# KiCad board AmigaPCI 68040.kicad_pcb (continued)
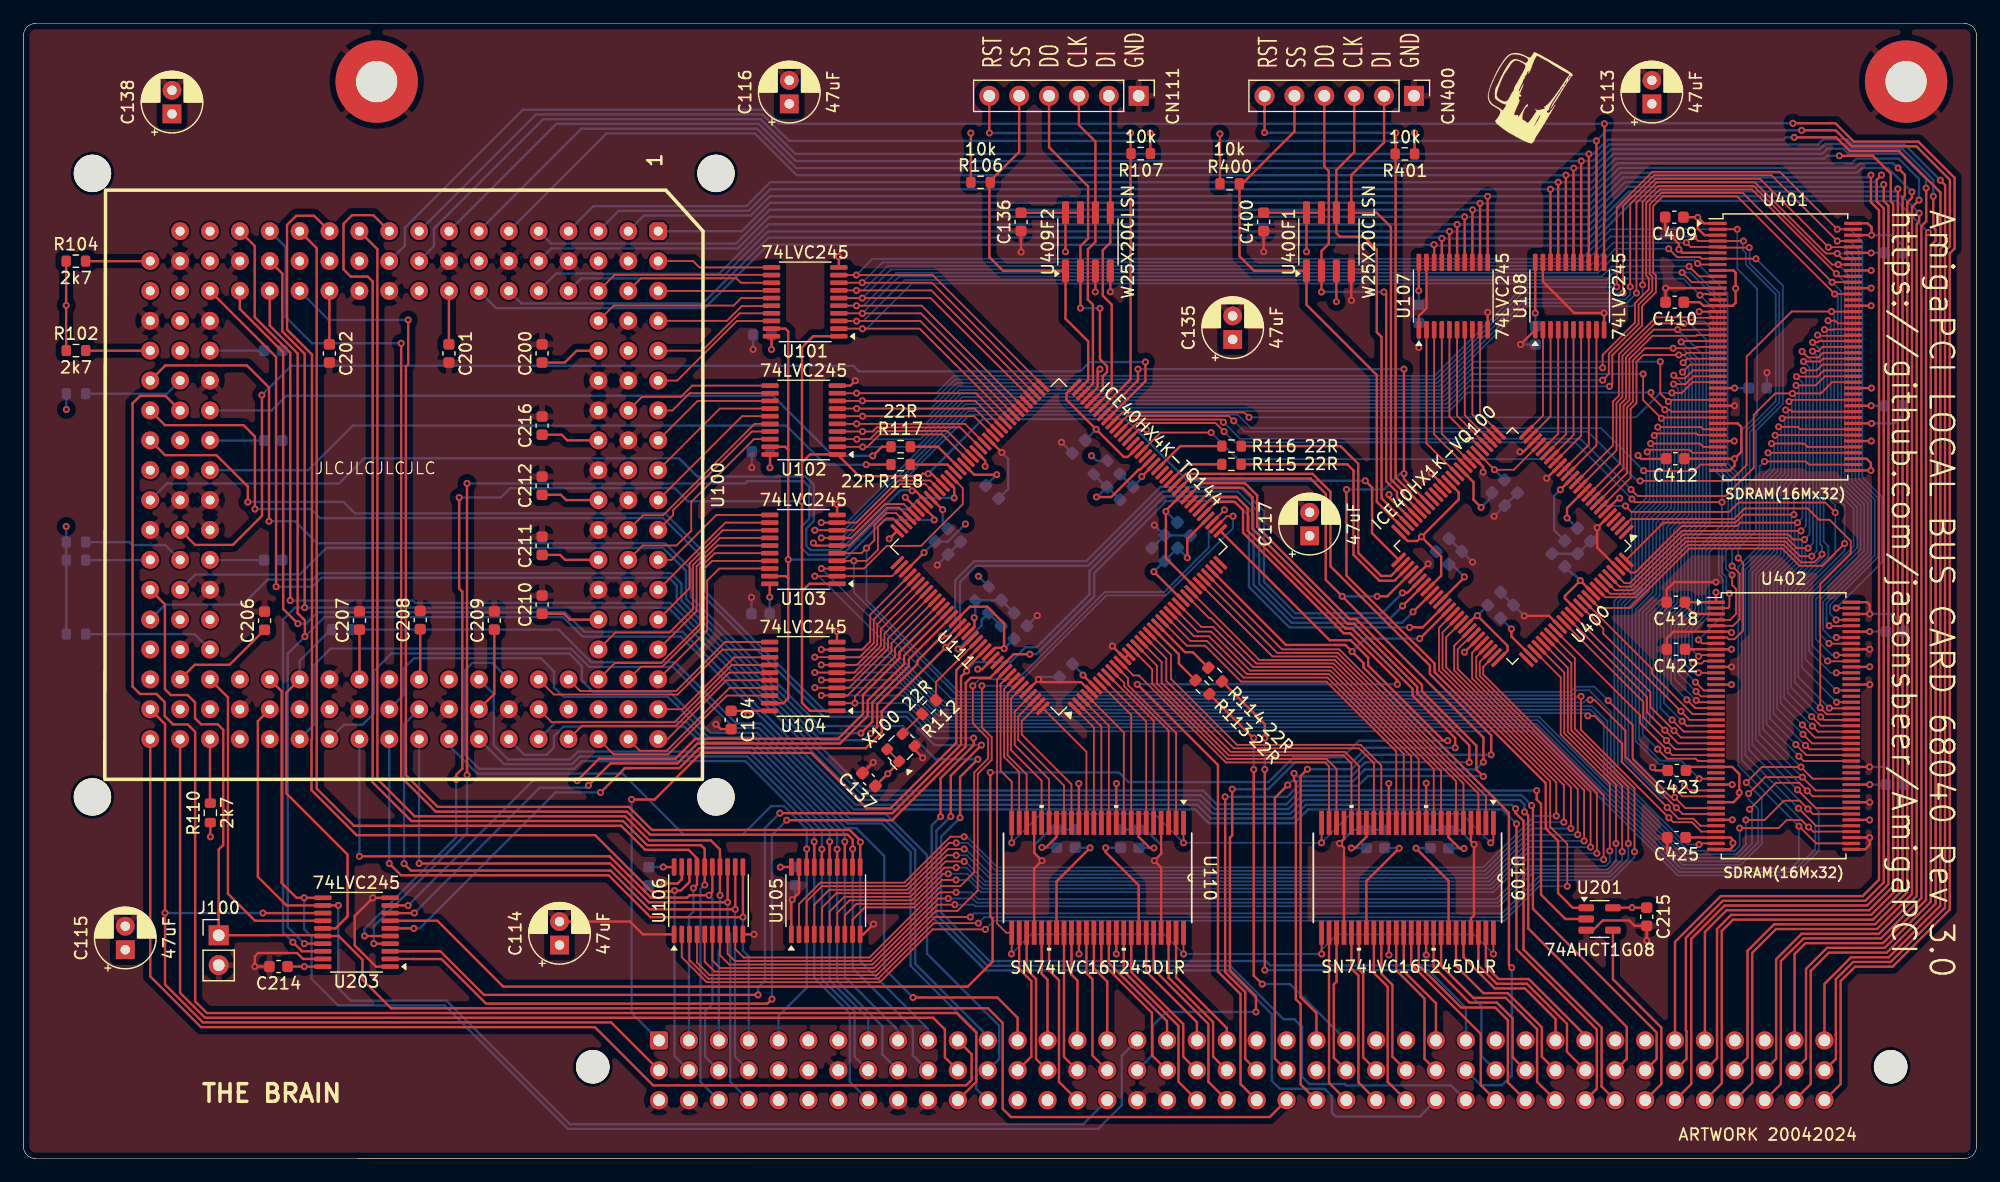
[diagram p0: board, top side]
## Footprints (pads in the part's own frame, mm; a bottom-side part is the same pattern mirrored in y, then rotated) (continued)
TSSOP-20_4.4x6.5mm_P0.65mm
  rrect 1.475x0.4 smd: 1(-2.862,2.925) 2(-2.862,2.275) 3(-2.862,1.625) 4(-2.862,0.975) 5(-2.862,0.325) 6(-2.862,-0.325) 7(-2.862,-0.975) 8(-2.862,-1.625) 9(-2.862,-2.275) 10(-2.862,-2.925) 11(2.862,-2.925) 12(2.862,-2.275) 13(2.862,-1.625) 14(2.862,-0.975) 15(2.862,-0.325) 16(2.862,0.325) 17(2.862,0.975) 18(2.862,1.625) 19(2.862,2.275) 20(2.862,2.925)

## Nets
+1V2: C117.1 C122.1 C123.1 C124.1 C125.1 C401.1 C402.1 C403.1 C404.1 CN100.a6 R108.2 R109.1 U111.27 U111.40 U111.92 U111.111 U400.11 U400.35 U400.61 U400.77
+3V3: C101.1 C102.1 C103.1 C104.1 C105.1 C106.1 C107.1 C108.1 C109.1 C110.1 C111.1 C112.1 C113.1 C114.1 C126.1 C127.1 C128.1 C129.1 C130.1 C135.1 C136.2 C137.1 C214.1 C400.2 C405.1 C406.1 C407.1 C408.1 C409.1 C410.1 C411.1 C412.1 C413.1 C414.1 C415.1 C416.1 C417.1 C418.1 C422.1 C423.1 C425.1 CN100.a21 CN100.a34 CN100.b5 CN100.b6 CN100.c13 CN100.c14 R106.1 R107.1 R400.1 R401.1 U101.20 U102.20 U103.20 U104.20 U105.20 U106.20 U107.20 U108.20 U109.7 U109.18 U110.7 U110.18 U111.6 U111.30 U111.46 U111.57 U111.72 U111.89 U111.100 U111.108 U111.123 U111.131 U203.20 U400.6 U400.14 U400.22 U400.31 U400.38 U400.50 U400.58 U400.67 U400.75 U400.88 U400.92 U400F1.3 U400F1.7 U400F1.8 U401.1 U401.3 U401.9 U401.15 U401.29 U401.35 U401.41 U401.43 U401.49 U401.55 U401.75 U401.81 U402.1 U402.3 U402.9 U402.15 U402.29 U402.35 U402.41 U402.43 U402.49 U402.55 U402.75 U402.81 U409F2.3 U409F2.7 U409F2.8 X100.1 X100.4
+5V: C115.1 C116.1 C118.1 C119.1 C120.1 C121.1 C138.1 C200.1 C201.1 C202.1 C203.1 C204.1 C205.1 C206.1 C207.1 C208.1 C209.1 C210.1 C211.1 C212.1 C215.1 C216.1 CN100.a7 CN100.a22 CN100.a25 CN100.a26 CN100.a33 CN100.c5 R100.1 R101.1 R102.1 R103.1 R104.1 R105.1 R110.1 U100.23 U100.27 U100.32 U100.38 U100.41 U100.44 U100.46 U100.48 U100.50 U100.53 U100.74 U100.77 U100.81 U100.82 U100.87 U100.88 U100.100 U100.104 U100.105 U100.107 U100.128 U100.131 U100.134 U100.138 U100.143 U100.152 U100.160 U109.31 U109.42 U110.31 U110.42 U201.5
D3V3A0: U101.8 U111.74 U401.4 U402.4
D3V3A1: U101.7 U111.75 U401.5 U402.5
D3V3A2: U101.5 U111.78 U401.8 U402.8
D3V3A3: U101.9 U111.73 U401.2 U402.2
D3V3A4: U101.6 U111.76 U401.7 U402.7
D3V3A5: U101.4 U111.79 U401.10 U402.10
D3V3A6: U101.3 U111.80 U401.11 U402.11
D3V3A7: U101.2 U111.81 U401.13 U402.13
D3V3A8: U102.9 U111.82 U401.85 U402.85
D3V3A9: U102.8 U111.83 U401.83 U402.83
D3V3A10: U102.7 U111.84 U401.82 U402.82
D3V3A11: U102.6 U111.85 U401.80 U402.80
D3V3A12: U102.5 U111.87 U401.79 U402.79
D3V3A13: U102.3 U111.90 U401.77 U402.77
D3V3A14: U103.9 U111.98 U401.76 U402.76
D3V3A15: U103.8 U111.99 U401.74 U402.74
D3V3A16: U102.4 U111.88 U401.31 U402.31
D3V3A17: U103.7 U111.104 U401.33 U402.33
D3V3A18: U102.2 U111.91 U401.34 U402.34
D3V3A19: U103.5 U111.106 U401.36 U402.36
D3V3A20: U103.2 U111.110 U401.37 U402.37
D3V3A21: U104.7 U111.114 U401.39 U402.39
D3V3A22: U103.3 U111.95 U401.40 U402.40
D3V3A23: U103.6 U111.105 U401.42 U402.42
D3V3A24: U104.4 U111.117 U401.45 U402.45
D3V3A25: U103.4 U111.107 U401.47 U402.47
D3V3A26: U104.3 U111.118 U401.48 U402.48
D3V3A27: U104.9 U111.112 U401.50 U402.50
D3V3A28: U104.2 U111.119 U401.51 U402.51
D3V3A29: U104.8 U111.113 U401.53 U402.53
D3V3A30: U104.6 U111.115 U401.54 U402.54
D3V3A31: U104.5 U111.116 U401.56 U402.56
D3V3B0: U109.2 U111.33
D3V3B1: U109.8 U111.28
D3V3B2: U109.5 U111.31
D3V3B3: U109.3 U111.32
D3V3B4: U109.6 U111.29
D3V3B5: U109.11 U111.25
D3V3B6: U109.9 U111.26
D3V3B7: U109.12 U111.24
D3V3B8: U109.13 U111.23
D3V3B9: U109.14 U111.22
D3V3B10: U109.17 U111.18
D3V3B11: U109.16 U111.19
D3V3B12: U109.20 U111.16
D3V3B13: U109.23 U111.12
D3V3B14: U110.5 U111.9
D3V3B15: U110.3 U111.10
D3V3B16: U109.19 U111.17
D3V3B17: U110.2 U111.11
D3V3B18: U109.22 U111.15
D3V3B19: U110.8 U111.7
D3V3B20: U110.11 U111.3
D3V3B21: U110.19 U111.141
D3V3B22: U110.12 U111.2
D3V3B23: U110.9 U111.4
D3V3B24: U110.22 U111.138
D3V3B25: U110.6 U111.8
D3V3B26: U110.20 U111.139
D3V3B27: U110.14 U111.144
D3V3B28: U110.23 U111.137
D3V3B29: U110.13 U111.1
D3V3B30: U110.17 U111.142
D3V3B31: U110.16 U111.143
GND: C101.2 C102.2 C103.2 C104.2 C105.2 C106.2 C107.2 C108.2 C109.2 C110.2 C111.2 C112.2 C113.2 C114.2 C115.2 C116.2 C117.2 C118.2 C119.2 C120.2 C121.2 C122.2 C123.2 C124.2 C125.2 C126.2 C127.2 C128.2 C129.2 C130.2 C135.2 C136.1 C137.2 C138.2 C200.2 C201.2 C202.2 C203.2 C204.2 C205.2 C206.2 C207.2 C208.2 C209.2 C210.2 C211.2 C212.2 C214.2 C215.2 C216.2 C400.1 C401.2 C402.2 C403.2 C404.2 C405.2 C406.2 C407.2 C408.2 C409.2 C410.2 C411.2 C412.2 C413.2 C414.2 C415.2 C416.2 C417.2 C418.2 C422.2 C423.2 C425.2 CN100.a29 CN100.a30 CN100.a37 CN100.a38 CN100.b7 CN100.c1 CN100.c2 CN100.c9 CN100.c10 CN100.c17 CN100.c18 CN111.1 CN400.1 H1.1 H2.1 J100.2 U100.20 U100.22 U100.24 U100.26 U100.28 U100.31 U100.33 U100.35 U100.42 U100.43 U100.45 U100.47 U100.49 U100.56 U100.59 U100.68 U100.71 U100.80 U100.83 U100.93 U100.94 U100.98 U100.99 U100.101 U100.106 U100.110 U100.113 U100.122 U100.125 U100.130 U100.132 U100.136 U100.137 U100.139 U100.146 U100.153 U100.154 U100.159 U100.161 U100.165 U100.172 U101.10 U102.10 U103.10 U104.10 U105.1 U105.10 U105.19 U106.1 U106.10 U106.19 U107.1 U107.10 U107.19 U108.1 U108.10 U108.19 U109.4 U109.10 U109.15 U109.21 U109.28 U109.34 U109.39 U109.45 U110.4 U110.10 U110.15 U110.21 U110.28 U110.34 U110.39 U110.45 U111.5 U111.13 U111.14 U111.59 U111.69 U111.86 U111.103 U111.132 U111.140 U201.3 U203.1 U203.10 U203.19 U400.5 U400.17 U400.23 U400.32 U400.39 U400.47 U400.55 U400.70 U400.84 U400.98 U400F1.4 U401.6 U401.12 U401.32 U401.38 U401.44 U401.46 U401.52 U401.58 U401.72 U401.78 U401.84 U401.86 U402.6 U402.12 U402.32 U402.38 U402.44 U402.46 U402.52 U402.58 U402.72 U402.78 U402.84 U402.86 U409F2.4 X100.2
/Card Connector/CLK40: R112.1 U111.128
/Card Connector/U409_CRESET: CN111.6 R107.2 U111.66
/Card Connector/U409_SCK: CN111.3 U111.70 U409F2.6
/Card Connector/U409_SDI: CN111.2 U111.67 U409F2.5
/Card Connector/U409_SDO: CN111.4 U111.68 U409F2.2
/Card Connector/U409_SS: CN111.5 R106.2 U111.71 U409F2.1
/CPU/_CDIS: R102.2 U100.166
/CPU/_MDIS: R103.2 U100.150
/CPU/_TIP: R105.2 U100.141
/CPU/SC0: R100.2 U100.173
/CPU/SC1: R101.2 U100.156
/CPU/TDO: R104.2 U100.163
/Fast Memory/U109_CRESET: CN400.6 R401.2 U400.44
/Fast Memory/U109_SCK: CN400.3 U400.48 U400F1.6
/Fast Memory/U109_SDI: CN400.2 U400.45 U400F1.5
/Fast Memory/U109_SDO: CN400.4 U400.46 U400F1.2
/Fast Memory/U109_SS: CN400.5 R400.2 U400.49 U400F1.1
_BB: CN100.b1 U100.178 U203.13
_BB-3V: U111.37 U203.7
_BG: CN100.c22 J100.1 U100.174 U203.16
_BG-3V: U111.96 U203.4
_BR: CN100.a11 U100.179
_BUFEN: U109.25 U109.48 U110.25 U110.48 U111.135
_CPUBG: U101.19 U102.19 U103.19 U104.19 U111.102
_CPUCONF: CN100.c7
_CPURST: CN100.c11 U100.151
_DSACK0: CN100.a1 U111.129
_DSACK1: CN100.b21 U111.45
_EM0CS: U400.9 U401.20
_EM1CS: U400.90 U402.20
_EMCAS: U400.12 U401.18 U402.18
_EMRAS: U400.10 U401.19 U402.19
_EMWE: U400.13 U401.17 U402.17
_INT2: CN100.c6
_INT6: CN100.b23
_IPL0: CN100.c27 U100.169
_IPL1: CN100.c28 U100.168
_IPL2: CN100.b29 U100.167
_LBEN: CN100.b22 U111.47 U400.54
_LLBE: U111.60 U401.16 U402.16
_LMBE: U111.62 U401.71 U402.71
_LOCK: CN100.b11 U100.162
_RESET: CN100.b28 U111.34 U400.63
_RSTO: U100.129 U201.2
_RSTOUT: CN100.c34 U201.4
_TA-CPU: U100.175 U111.124 U400.56
_TBI: CN100.a23 U111.48
_TBI-CPU: U100.155 U111.64
_TCI: CN100.c23 U111.43
_TCI-CPU: U100.171 U111.101
_TEA: CN100.c21 U111.41
_TEA-CPU: U100.157 U111.122
_TS: CN100.b17 U111.42
_TS-3V: U111.125 U203.6 U400.57
_TS-CPU: U100.142 U203.14
_UMBE: U111.63 U401.28 U402.28
_UUBE: U111.61 U401.59 U402.59
A0: CN100.b3 U100.102 U106.15
A1: CN100.a4 U100.96 U106.11
A2: CN100.b4 U100.89 U106.12
A3: CN100.c4 U100.90 U106.13
A4: CN100.a5 U100.84 U105.18
A5: CN100.b8 U100.78 U105.16
A6: CN100.a8 U100.76 U105.15
A7: CN100.b9 U100.72 U105.14
A8: CN100.a9 U100.66 U105.13
A9: CN100.c8 U100.70 U105.17
A10: CN100.b10 U100.115 U105.12
A11: CN100.a10 U100.111 U105.11
A12: CN100.a2 U100.109 U106.17
A13: CN100.b2 U100.103 U106.18
A14: CN100.a3 U100.97 U106.14
A15: CN100.c3 U100.91 U106.16
A16: CN100.c40 U100.92 U108.11
A17: CN100.b40 U100.85 U108.12
A18: CN100.a40 U100.79 U108.14
A19: CN100.c39 U100.86 U108.13
A20: CN100.b39 U100.73 U108.15
A21: CN100.c38 U100.67 U108.16
A22: CN100.a35 U100.61 U107.13
A23: CN100.a39 U100.75 U107.18
A24: CN100.a36 U100.55 U108.17
A25: CN100.b38 U100.69 U107.17
A26: CN100.b35 U100.62 U107.14
A27: CN100.c37 U100.37 U108.18
A28: CN100.c35 U100.63 U107.15
A29: CN100.c36 U100.19 U107.11
A30: CN100.b36 U100.57 U107.16
A31: CN100.b37 U100.1 U107.12
BANK0: U400.8 U401.22 U402.22
BANK1: U400.7 U401.23 U402.23
BCLKA: R117.2 U100.133
BCLKB: R115.2 U400.53
BCLKC: CN100.a28 R114.2
BUFDIR: U109.1 U109.24 U110.1 U110.24 U111.136
CDONE: U111.65 U201.1 U400.43
D0: U100.39 U101.12
D1: U100.21 U101.13
D2: U100.40 U101.15
D3: U100.2 U101.11
D4: U100.3 U101.14
D5: U100.4 U101.16
D6: U100.5 U101.17
D7: U100.6 U101.18
D8: U100.25 U102.11
D9: U100.7 U102.12
D10: U100.8 U102.13
D11: U100.9 U102.14
D12: U100.10 U102.15
D13: U100.11 U102.17
D14: U100.12 U103.11
D15: U100.13 U103.12
D16: U100.29 U102.16
D17: U100.14 U103.13
D18: U100.30 U102.18
D19: U100.15 U103.15
D20: U100.16 U103.18
D21: U100.17 U104.13
D22: U100.34 U103.17
D23: U100.51 U103.14
D24: U100.18 U104.16
D25: U100.52 U103.16
D26: U100.36 U104.17
D27: U100.58 U104.11
D28: U100.54 U104.18
D29: U100.64 U104.12
D30: U100.65 U104.14
D31: U100.60 U104.15
DA0: CN100.a32 U109.47
DA1: CN100.c31 U109.41
DA2: CN100.a31 U109.44
DA3: CN100.b32 U109.46
DA4: CN100.b31 U109.43
DA5: CN100.c30 U109.38
DA6: CN100.b30 U109.40
DA7: CN100.c29 U109.37
DA8: CN100.a27 U109.36
DA9: CN100.b27 U109.35
DA10: CN100.c26 U109.32
DA11: CN100.b26 U109.33
DA12: CN100.c25 U109.29
DA13: CN100.c24 U109.26
DA14: CN100.c20 U110.44
DA15: CN100.b20 U110.46
DA16: CN100.b25 U109.30
DA17: CN100.a20 U110.47
DA18: CN100.b24 U109.27
DA19: CN100.b19 U110.41
DA20: CN100.a18 U110.38
DA21: CN100.c15 U110.30
DA22: CN100.b18 U110.37
DA23: CN100.c19 U110.40
DA24: CN100.b14 U110.27
DA25: CN100.a19 U110.43
DA26: CN100.a14 U110.29
DA27: CN100.b16 U110.35
DA28: CN100.b13 U110.26
DA29: CN100.a16 U110.36
DA30: CN100.b15 U110.32
DA31: CN100.a15 U110.33
EMA0: U400.86 U401.25 U402.25
EMA1: U400.85 U401.26 U402.26
EMA2: U400.83 U401.27 U402.27
EMA3: U400.100 U401.60 U402.60
EMA4: U400.99 U401.61 U402.61
EMA5: U400.97 U401.62 U402.62
EMA6: U400.96 U401.63 U402.63
EMA7: U400.95 U401.64 U402.64
EMA8: U400.94 U401.65 U402.65
EMA9: U400.93 U401.66 U402.66
EMA10: U400.87 U401.24 U402.24
EMA11: U400.89 U401.21 U402.21
EMA12: U400.91 U401.69 U402.69
EMCLKE: U400.2 U401.67 U402.67
LVA0: U106.5 U111.38
LVA1: U106.9 U111.39
LVA2: U106.8 U400.78
LVA3: U106.7 U400.79
LVA4: U105.2 U400.65
LVA5: U105.4 U400.68
LVA6: U105.5 U400.69
LVA7: U105.6 U400.71
LVA8: U105.7 U400.72
LVA9: U105.3 U400.66
LVA10: U105.8 U400.73
LVA11: U105.9 U400.74
LVA12: U106.3 U400.82
LVA13: U106.2 U400.64
LVA14: U106.6 U400.80
LVA15: U106.4 U400.81
LVA16: U108.9 U400.15
LVA17: U108.8 U400.16
LVA18: U108.6 U400.19
LVA19: U108.7 U400.18
LVA20: U108.5 U400.20
LVA21: U108.4 U400.21
LVA22: U107.7 U400.28
LVA23: U107.2 U400.36
LVA24: U108.3 U400.24
LVA25: U107.3 U400.34
LVA26: U107.6 U400.29
LVA27: U108.2 U400.25
LVA28: U107.5 U400.30
LVA29: U107.9 U400.26
LVA30: U107.4 U400.33
LVA31: U107.8 U400.27
PCLKA: R118.2 U100.135
PCLKB: R116.2 U400.52
PCLKC: CN100.a24 R113.2
R_W: R111.2 U100.112 U203.15
R_W-3V: U101.1 U102.1 U103.1 U104.1 U111.97 U203.5 U400.51
RAMCLK: U111.56 U401.68 U402.68
SIZ0: CN100.c16 U100.119 U203.12
SIZ0-3V: U111.121 U203.8
SIZ1: CN100.a17 U100.118 U203.11
SIZ1-3V: U111.120 U203.9
TM0: CN100.a12 U100.114
TM1: CN100.c12 U100.108
TM2: CN100.a13 U100.95
TT0: CN100.c32 U100.117 U203.17
TT0-3V: U111.130 U203.3 U400.59
TT1: CN100.b33 U100.116 U203.18
TT1-3V: U111.134 U203.2 U400.62
UPA0: CN100.c33 U100.123
UPA1: CN100.b34 U100.121
Net-(CN100-Pin_b12): CN100.b12 R111.1
Net-(U100A-_LOCKE): R110.2 U100.144
Net-(U111-GNDPLL0): C133.2 C134.2 U111.53
Net-(U111-GNDPLL1): C131.2 C132.2 U111.127
Net-(U111-IO1_140_GBIN3): R117.1 U111.93
Net-(U111-IO1_141_GBIN2): R118.1 U111.94
Net-(U111-IO2_81_GBIN5): R115.1 U111.49
Net-(U111-IO2_82_GBIN4): R116.1 U111.52
Net-(U111-IO3_13B_GBIN7): R113.1 U111.20
Net-(U111-IO3_14A_GBIN6): R114.1 U111.21
Net-(U111-VCCPLL0): C133.1 C134.1 R109.2 U111.54
Net-(U111-VCCPLL1): C131.1 C132.1 R108.1 U111.126
Net-(X100-OUT): R112.2 X100.3

Pads without a net: U100 120 124 126 127 140 145 147 148 149 158 164 170 176 177; U111 35 36 44 50 51 55 58 77 109 133; U400 1 3 4 37 40 41 42 60 76; U401 14 30 57 70 73; U402 14 30 57 70 73

## Via types
v1: diameter 0.6, hole 0.3, Top to Bottom, 541 vias

## Routing (per net, layer and track width the routed paths; a pad name or vN(x,y) marks a point on that pad's centre or on a via; arc(x,y) is an arc through that point)
+1V2: length 118.4
  Top w0.2: U400.77 126.47,44.37 v1(126.47,45.01) ; v1(96.08,49.87) 98.49,47.46 ; v1(82.72,58.12) 80.81,58.12 U111.92 ; 120.42,47.35 122.47,49.39 v1(122.47,49.43) ; U111.40 98.92,52.66 v1(98.92,51.06) ; U400.35 123.25,57.49 123.25,55.99 v1(123.9,55.34) ; v1(76.55,51.5) U111.111 ; 132.69,56.78 131.2,55.29 v1(131.2,54.44)
  In2.Cu w1.5: 109.34,51.46 109.32,51.48 C117.1 ; 109.34,51.46 114.83,51.43 116.58,51.43 119.02,48.99 125.05,48.99 ; 109.34,51.46 102.4,51.5 96.81,51.5 96.79,51.52 ; 88.06,41.8 88.06,35.79 83.76,31.49 77.91,31.49 76.26,29.84 76.26,21.49 66.72,11.94 CN100.a6
  Bottom w0.2: R109.1 91.2,59.31 v1(90.78,59.73) ; 121.4,50.5 v1(122.47,49.43) ; 125.55,45.93 v1(126.47,45.01) ; 81.79,57.19 v1(82.72,58.12) ; v1(80.06,53.93) 78.56,52.44 C123.1 ; 77.48,52.44 v1(76.55,51.5) ; 124.82,56.26 v1(123.9,55.34) ; v1(98.92,51.06) C124.1 ; 98.09,51.88 C125.1 ; 132.08,53.56 v1(131.2,54.44) ; 96.99,50.79 v1(96.08,49.87) ; 82.06,48.6 v1(81.17,49.49)
+3V3: length 242
  Top w0.15: U400.22 126.67,58.54 v1(125.03,58.54) U400.31 ; X100.4 X100.1
  Top w0.2: v1(63.45,58.71) 63.45,58.72 63.45,59.84 ; 91.11,40.03 v1(90.06,41.08) ; R106.1 80.53,87.15 v1(80.52,87.16) ; U401.3 142.88,78.48 142.31,79.05 v1(142.31,79.99) ; U400.92 v1(132.33,49.12) 131.02,47.81 131.02,47.6 U400.88 ; v1(145.18,43.28) U402.9 C422.1 ; v1(157.05,76.97) 157.04,76.98 U401.81 ; R400.1 v1(101.7,87.09) ; v1(112.86,26.39) 113.2,26.39 114.14,27.33 U109.18 ; U104.20 61.91,38.05 v1(61.57,37.7) 61.22,38.05 C104.1 ; v1(135.68,56.12) 135.57,56.12 U400.6 ; v1(91.1,73.66) 91.11,73.67 U409F2.3 ; U111.131 82.59,43.41 83.27,43.41 v1(83.35,43.33) 83.35,45.46 81.91,46.9 80.43,46.9 U111.123 ; U402.55 v1(156.93,31.78) ; U401.1 142.84,79.48 142.33,79.99 v1(142.31,79.99) ; U400.75 126.14,43.16 126.14,43.58 v1(123.58,46.14) 123.47,46.14 U400.67 ; C412.1 U401.41 v1(145.44,59.48) ; U401.49 v1(157.06,60.98) ; U101.20 v1(63.58,68.76) ; U203.20 23.87,16.31 v1(23.87,16.31) C214.1 ; v1(95.78,87.15) 95.79,87.14 R107.1 ; v1(118.82,52.84) 120.5,51.16 120.5,49.54 U400.58 ; v1(118.82,52.84) 121.99,56.01 121.99,56.63 U400.38 ; v1(118.82,52.84) 118.46,52.49 117.65,52.49 U400.50 ; v1(122.44,26.35) 122.08,26.35 121.13,27.3 U109.7 ; v1(118.6,73.76) 118.6,73.77 U107.20 ; U402.3 141.97,46.28 141.22,47.03 ; U400F1.8 105.41,80.39 ; U400F1.8 U400F1.7 ; U400F1.8 109.05,77.08 v1(109.05,77.07) ; v1(64.33,24.76) 64.34,24.77 U105.20 ; U402.49 156.91,28.78 v1(156.92,28.77) ; U400F1.3 111.59,72.84 v1(111.59,72.83) ; U401.9 145.35,75.48 145.53,75.3 v1(145.53,73.96) 145.53,72.73 145.28,72.48 U401.15 142.78,72.48 142.48,72.78 C410.1 ; 74.26,53.35 v1(73.59,52.67) ; U401.29 v1(145.44,65.48) ; v1(142.31,79.99) 142.31,80.01 C409.1 ; v1(96.09,26.39) 95.73,26.39 94.79,27.33 U110.7 ; C418.1 U402.1 v1(143.86,48.12) ; U402.35 145.35,30.28 145.84,30.77 v1(145.84,31.1) 145.84,32.68 145.24,33.28 U402.29 141.28,33.28 ; C425.1 U402.41 145.1,27.28 145.3,27.08 v1(145.3,26.81) 145.3,26.51 145.07,26.28 U402.43 ; v1(145.44,59.48) 145.44,58.88 145.04,58.48 U401.43 ; v1(145.44,59.48) 146.01,60.06 146.01,62.18 145.71,62.48 U401.35 ; U111.72 88.65,65.02 88.65,64.5 v1(91.17,61.98) 93.52,59.63 93.87,59.63 U111.57 ; U110.18 87.81,27.33 86.9,26.43 v1(86.56,26.43) ; U106.20 v1(54.38,24.77) ; R401.1 v1(118.24,87.17) ; U409F2.7 U409F2.8 v1(88.57,77.07) ; U401.55 v1(157.05,63.98) ; 77.1,56.17 v1(78.13,55.14) ; v1(81.74,58.83) 81.74,59.31 U111.89 ; v1(63.43,47.71) U103.20 ; U402.75 156.92,41.78 v1(156.93,41.79) ; U402.81 v1(156.92,44.78) ; U401.75 v1(157.05,73.98) ; U111.30 97.1,51.02 v1(97.1,55) 97.1,55.09 U111.46 ; C137.1 73.45,32.7 v1(73.46,32.7) 73.46,32.71 74.43,33.68 ; 131.63,57.84 v1(130.63,56.84) ; C136.2 88.56,80.38 ; U108.20 v1(128.5,71.86) ; U402.15 v1(145.18,40.28)
  Bottom w0.2: 98.04,54.06 v1(97.1,55) ; C109.1 86.57,26.42 v1(86.56,26.43) ; C108.1 128.51,71.85 v1(128.5,71.86) ; v1(157.05,63.98) C408.1 ; C406.1 131.68,49.65 131.8,49.65 v1(132.33,49.12) ; 63.45,60.12 63.45,58.71 ; 63.43,46.16 v1(63.43,47.71) ; 84.19,44.17 v1(83.35,43.33) ; v1(156.92,44.78) C413.1 ; 63.45,58.71 v1(63.45,58.71) ; C101.1 63.58,68.77 ; v1(64.33,24.76) 64.34,24.78 C105.1 ; 90.24,61.04 v1(91.17,61.98) ; v1(157.05,76.97) 158.14,76.97 ; v1(130.63,56.84) 130.1,56.31 130.1,53.4 C415.1 ; v1(54.38,24.77) 53.16,24.77 ; 120.07,51.59 v1(118.82,52.84) ; v1(156.93,31.78) C417.1 ; C411.1 v1(145.44,65.48) ; v1(122.44,26.35) 122.42,26.37 C111.1 ; 125.89,57.68 v1(125.03,58.54) ; v1(96.09,26.39) 96.08,26.4 C110.1 ; C126.1 78.13,53.95 v1(78.13,55.14) ; C112.1 112.87,26.38 v1(112.86,26.39) ; C107.1 v1(118.6,73.76) ; 124.46,47.02 v1(123.58,46.14) ; C129.1 90.06,41.13 v1(90.06,41.08)
+5V: length 131.9
  Top w0.2: 44.64,67.65 46.01,67.65 47.01,68.65 48.86,68.65 ; v1(90.66,26.4) 87.81,23.55 U110.31 ; U110.42 94.79,23.22 91.98,26.03 v1(91.98,26.4) ; v1(118.36,26.37) 121.13,23.6 U109.42 ; 36.16,73.73 C201.1 ; 135.12,21.32 v1(136.72,21.32) C215.1 ; 44.27,56.41 45.67,56.41 46.12,55.96 U100.46 ; U100.44 46.22,61.04 45.74,61.52 44.28,61.52 ; U109.31 114.14,23.59 v1(116.93,26.37) ; 3.62,76.27 3.62,72.52 v1(3.63,72.51) 3.62,72.51 3.62,68.68 ; C202.1 26,73.73 ; U100.48 46.03,50.88 45.61,51.3 44.25,51.3 ; C207.1 28.56,40.73 ; 44.23,46.3 45.93,46.3 46.43,45.8 U100.50 ; U100.77 40.02,39.49 C209.1 ; C206.1 17.51,41.96 14.55,41.96 U100.160 ; C208.1 33.72,40.81 ; R110.1 v1(15.88,27.34)
  Bottom w0.2: v1(116.93,26.37) 116.92,26.38 C121.1 ; C120.1 v1(118.36,26.37) ; R103.1 3.63,63.67 v1(3.64,63.66) ; v1(90.66,26.4) 90.65,26.41 C118.1 ; C204.1 15.87,61.02 ; C203.1 15.86,68.67 ; v1(3.63,53.72) 3.63,53.72 R100.1 R105.1 ; C119.1 v1(91.98,26.4) ; C205.1 15.87,50.86
D3V3A0: length 134.3
  Top w0.15: v1(145.23,49.6) 145.23,48.74 145.57,48.4 145.57,46.29 145.06,45.78 U402.4 ; v1(146.19,77.98) U401.4 142.35,77.98 v1(141.96,78.37) ; U111.74 77.22,74.44 71.29,74.44 v1(71.29,74.44) 71.28,74.44 U101.8
  Bottom w0.15: v1(71.29,74.44) 73.02,76.17 132.71,76.17 134.91,78.37 v1(141.96,78.37) ; v1(146.19,77.98) 146.16,77.96 146.16,77.21 146.4,76.97 146.4,75.98 148.94,73.44 148.94,64.37 146.4,61.83 146.4,53.36 144.71,51.66 144.71,50.12 v1(145.23,49.6)
D3V3A1: length 134.7
  Top w0.15: U111.75 77.16,73.79 70.8,73.79 v1(70.8,73.78) 70.79,73.79 U101.7 ; v1(141.34,77.85) 141.7,77.48 U401.5 ; v1(145.23,50.35) 145.87,49.72 145.87,45.83 145.32,45.28 U402.5 ; 144.07,77.42 v1(146.69,77.42)
  Bottom w0.15: v1(141.34,77.85) 135.14,77.85 133.17,75.87 73.46,75.87 71.37,73.78 v1(70.8,73.78) ; v1(145.23,50.35) 145.23,51.76 146.73,53.26 146.73,61.74 149.24,64.25 149.24,73.57 146.73,76.07 146.73,77.38 v1(146.69,77.42)
D3V3A2: length 130.8
  Top w0.15: U101.5 76.34,72.49 U111.78 ; U401.8 142.39,75.98 v1(142.29,76.08) ; U402.8 142.67,43.78 v1(142.37,44.08)
  Bottom w0.15: v1(70.8,72.48) 71.39,72.48 74.18,75.27 133.82,75.27 134.9,76.36 142.01,76.36 v1(142.29,76.08) 144.84,73.53 144.84,59.09 145.8,58.13 145.8,53.61 144.09,51.9 144.09,49.64 144.43,49.3 144.43,46.15 v1(142.37,44.08)
D3V3A3: length 134.8
  Top w0.15: U101.9 70.78,75.09 v1(70.79,75.09) 70.79,75.09 77.28,75.09 U111.73 ; U401.2 v1(145.67,78.98) ; U402.2 144.86,46.78 145,46.92 v1(145,48.02)
  Bottom w0.15: v1(145,48.02) 144.73,48.29 144.73,49.43 144.39,49.77 144.39,51.77 146.1,53.48 146.1,61.96 147.36,63.21 147.36,73.92 145.66,75.61 145.66,78.98 v1(145.67,78.98) 134.94,78.98 132.43,76.47 72.17,76.47 v1(70.79,75.09)
D3V3A4: length 134.8
  Top w0.15: v1(147.26,76.47) 147.25,76.48 U401.7 142.63,76.48 142.5,76.61 140.56,76.61 139.84,77.32 v1(139.84,77.32) ; U111.76 77.11,73.14 71.3,73.14 v1(71.3,73.13) 71.29,73.14 69.3,73.14 ; U402.7 144.79,44.28 144.94,44.13 145.42,44.13 146.17,44.88 146.17,50.62 v1(145.76,51.03)
  Bottom w0.15: v1(147.26,76.47) 149.54,74.19 149.54,64.12 147.26,61.84 147.26,53.37 145.76,51.86 v1(145.76,51.03) ; v1(139.84,77.32) 135.3,77.32 133.55,75.57 73.74,75.57 v1(71.3,73.13)
D3V3A5: length 131.4
  Top w0.15: U101.4 76.28,71.84 U111.79 ; U402.10 142.48,42.78 v1(142.38,42.68) ; v1(141.57,75.83) 142.42,74.98 U401.10
  Bottom w0.15: v1(71.3,71.83) 74.44,74.97 134.16,74.97 135.02,75.83 v1(141.57,75.83) 144.54,72.87 144.54,58.97 145.5,58 145.5,53.73 143.91,52.13 143.89,52.13 143.28,51.52 143.28,46.12 141.84,44.68 141.84,43.22 v1(142.38,42.68)
D3V3A6: length 132.5
  Top w0.15: U401.11 141.8,74.48 v1(140.98,75.31) ; U101.3 76.23,71.19 U111.80 ; U402.11 142.85,42.28 142.64,42.07 v1(141.9,42.07)
  Bottom w0.15: v1(141.9,42.07) 141.54,42.43 141.54,44.8 142.98,46.24 142.98,51.65 145.2,53.87 145.2,57.88 144.24,58.84 144.24,72.74 141.67,75.31 v1(140.98,75.31) 135.18,75.31 134.55,74.67 74.88,74.67 71.38,71.17 v1(70.81,71.17)
D3V3A7: length 129.6
  Top w0.15: v1(142.5,73.38) 142.6,73.48 U401.13 ; U111.81 76.17,70.54 69.3,70.54 ; v1(142.37,41.28) U402.13
  Bottom w0.15: v1(71.31,70.52) 71.65,70.52 75.5,74.37 134.97,74.37 135.38,74.78 141.1,74.78 v1(142.5,73.38) 143.94,71.94 143.94,58.72 144.9,57.75 144.9,53.99 142.68,51.77 142.68,46.37 141.24,44.93 141.24,41.99 141.95,41.28 v1(142.37,41.28)
D3V3A8: length 151.1
  Top w0.15: v1(154.08,46.78) U402.85 ; v1(135.42,74.08) 135.42,80.82 138.47,83.87 149.28,83.87 v1(154.17,78.98) U401.85 ; U102.9 80.96,65.04 U111.82
  Bottom w0.15: v1(135.42,74.08) 135.41,74.07 127.48,74.07 119.93,66.52 79.06,66.52 77.59,65.05 v1(70.81,65.05) ; v1(154.08,46.78) 157.96,50.66 157.96,56.24 156.31,57.89 156.31,77.93 155.26,78.98 v1(154.17,78.98)
D3V3A9: length 151.1
  Top w0.15: U401.83 v1(154.17,77.98) 148.58,83.57 138.59,83.57 135.96,80.94 v1(135.96,73.56) ; U102.8 80.9,64.39 U111.83 ; v1(154.08,45.78) U402.83
  Bottom w0.15: v1(154.08,45.78) 153.55,46.31 153.55,47.06 157.66,51.16 157.66,56.12 156.01,57.77 156.01,77.19 155.22,77.98 v1(154.17,77.98) ; v1(135.96,73.56) 135.95,73.56 127.39,73.56 120.05,66.22 79.18,66.22 77.36,64.4 v1(71.31,64.4)
D3V3A10: length 152.3
  Top w0.15: U102.7 80.84,63.74 U111.84 ; v1(136.57,74.09) 136.57,81.12 138.72,83.27 147.6,83.27 v1(153.42,77.46) 155.48,77.46 ; 155.33,45.26 153.5,45.26 v1(153.48,45.28)
  Bottom w0.15: v1(136.57,74.09) 136.57,73.43 136.18,73.04 127.29,73.04 120.18,65.92 79.31,65.92 77.13,63.74 v1(70.82,63.74) ; v1(153.48,45.28) 153.25,45.51 153.25,47.18 157.36,51.29 157.36,55.99 155.71,57.64 155.71,76.48 154.73,77.46 v1(153.42,77.46)
D3V3A11: length 151.5
  Top w0.15: U111.85 80.79,63.09 U102.6 ; v1(154.09,44.28) U402.80 ; v1(137.1,73.56) 137.1,81.23 138.84,82.97 147.16,82.97 153.21,76.92 v1(154.17,76.92) 154.61,76.48 U401.80
  Bottom w0.15: v1(137.1,73.56) 137.1,73.53 136.3,72.74 127.41,72.74 120.3,65.62 79.43,65.62 76.9,63.09 v1(71.32,63.09) ; v1(154.17,76.92) 154.84,76.92 155.41,76.36 155.41,57.52 157.06,55.87 157.06,51.41 152.95,47.31 152.95,44.96 153.63,44.28 v1(154.09,44.28)
D3V3A12: length 150.9
  Top w0.15: U102.5 80.02,62.44 U111.87 ; v1(137.62,74.26) 137.62,81.33 138.97,82.67 147.04,82.67 153.73,75.98 v1(154.25,75.98) U401.79 ; 155.33,43.76 153.49,43.76 v1(153.46,43.78)
  Bottom w0.15: v1(154.25,75.98) 155.11,75.12 155.11,57.4 156.76,55.75 156.76,51.54 152.65,47.43 152.65,44.59 v1(153.46,43.78) ; v1(137.62,74.26) 137.62,73.34 136.71,72.44 127.54,72.44 120.43,65.32 79.56,65.32 76.68,62.44 v1(70.82,62.44)
D3V3A13: length 152.7
  Top w0.15: U401.77 154.32,74.98 v1(154.09,75.21) 154.07,75.21 146.91,82.37 139.09,82.37 137.92,81.21 137.92,75.04 138.15,74.82 138.15,73.87 136.98,72.7 136.98,71.05 134.22,68.3 v1(134.22,67.21) ; U102.3 71.95,61.14 72.65,61.84 78.5,61.84 U111.90 ; U402.77 v1(154.09,42.78)
  Bottom w0.15: v1(154.09,42.78) 153.72,42.78 152.35,44.15 152.35,47.55 156.46,51.66 156.46,55.62 154.81,57.27 154.81,74.49 v1(154.09,75.21) ; v1(134.22,67.21) 123.16,67.21 120.67,64.72 79.8,64.72 76.21,61.13 v1(70.83,61.13)
D3V3A14: length 158.3
  Top w0.15: v1(134.22,66.16) 134.75,66.68 134.75,68.4 137.28,70.93 137.28,72.58 138.45,73.75 138.45,74.94 138.22,75.17 138.22,81.08 139.21,82.07 146.14,82.07 v1(153.73,74.48) U401.76 ; v1(153.35,42.28) 153.37,42.26 155.33,42.26 ; v1(67.81,54.05) 67.81,54.05 U103.9 70.8,54.05 74.38,57.63 77.06,57.63 U111.98
  Bottom w0.15: v1(67.81,54.05) 69.98,54.05 80.05,64.12 120.92,64.12 122.96,66.16 v1(134.22,66.16) ; v1(153.35,42.28) 152.05,43.58 152.05,47.68 156.16,51.78 156.16,55.5 154.51,57.15 154.51,73.7 v1(153.73,74.48)
D3V3A15: length 159.8
  Top w0.15: U401.74 v1(153.95,73.48) 145.66,81.77 139.34,81.77 138.52,80.96 138.52,75.29 138.75,75.07 138.75,73.62 137.58,72.45 137.58,70.8 135.05,68.27 135.05,65.87 v1(134.81,65.63) ; v1(67.26,53.4) 67.26,53.4 U103.8 70.57,53.4 74.5,57.33 76.65,57.33 U111.99 ; v1(154.09,41.28) U402.74
  Bottom w0.15: v1(154.09,41.28) 153.61,41.28 151.75,43.14 151.75,47.8 155.86,51.91 155.86,55.37 154.21,57.02 154.21,73.22 v1(153.95,73.48) ; v1(134.81,65.63) 122.86,65.63 121.05,63.82 80.18,63.82 69.76,53.4 v1(67.26,53.4)
D3V3A16: length 129.1
  Top w0.15: U111.88 79.62,62.14 72.53,62.14 72.18,61.79 U102.4 ; v1(139.13,67.73) 139.13,65.02 v1(139.81,64.34) 139.96,64.48 U401.31 ; U402.31 v1(142.43,32.28)
  Bottom w0.15: v1(142.43,32.28) 140.9,33.81 139.14,33.81 137.33,35.62 137.33,46.53 138.78,47.98 138.78,54.04 140.04,55.29 140.04,64.11 v1(139.81,64.34) ; v1(139.13,67.73) 123.26,67.73 120.55,65.02 79.68,65.02 76.45,61.79 v1(71.32,61.79)
D3V3A17: length 129.5
  Top w0.15: v1(141.19,31.69) 141.6,31.28 U402.33 ; v1(138.33,65.11) 138.33,64.83 v1(139.51,63.64) 139.89,63.64 140.05,63.48 U401.33 ; 69.15,52.75 70.35,52.75 73.22,55.62 74.82,55.62 U111.104 ; 69.15,52.74 67.81,52.74
  Bottom w0.15: v1(141.19,31.69) 139.37,33.51 139.01,33.51 137.03,35.5 137.03,46.65 138.48,48.11 138.48,54.16 139.74,55.42 139.74,63.42 v1(139.51,63.64) ; v1(67.81,52.75) 69.53,52.75 80.3,63.52 121.17,63.52 122.76,65.11 138.32,65.11 v1(138.33,65.11)
D3V3A18: length 129.8
  Top w0.15: U401.34 139.28,62.98 v1(139.21,62.92) 137.67,64.46 v1(137.67,66.68) ; U111.91 78.09,61.54 72.78,61.54 71.72,60.48 v1(71.33,60.48) 71.32,60.49 U102.2 ; U402.34 141,30.78 v1(140.28,31.5)
  Bottom w0.15: v1(137.67,66.68) 123.06,66.68 120.8,64.42 89.36,64.42 89.68,64.42 79.93,64.42 75.99,60.48 v1(71.33,60.48) ; v1(139.21,62.92) 139.44,62.69 139.44,55.54 138.18,54.28 138.18,48.23 136.73,46.78 136.73,34.1 139.33,31.5 v1(140.28,31.5)
D3V3A19: length 134.2
  Top w0.15: U401.36 142.77,61.98 142.59,62.16 v1(138.91,62.16) ; U402.36 141.26,29.78 v1(140.34,30.7) 140.02,30.7 136.78,33.94 136.78,36.84 v1(134.69,38.93) ; U103.5 71.22,51.45 v1(71.65,51.88) 72.32,52.55 72.32,53.82 73.35,54.85 74.18,54.85 U111.106
  Bottom w0.15: v1(140.34,30.7) 140.02,30.7 139.71,31.01 139.4,31.01 136.42,33.99 136.42,46.89 137.88,48.35 137.88,54.41 139.14,55.66 139.14,61.94 v1(138.91,62.16) ; v1(134.69,38.93) 133.52,40.1 131.91,40.1 131.46,39.65 79.47,39.65 71.65,47.48 v1(71.65,51.88)
D3V3A20: length 134.5
  Top w0.15: U401.37 142.35,61.48 142.21,61.62 138.78,61.62 v1(138.61,61.45) ; 69.16,49.49 67.27,49.49 ; U103.2 73.84,49.5 U111.110 ; U402.37 141.01,29.28 v1(140.49,29.81) 136.17,34.13 136.17,36.35 133.54,38.98 v1(133.16,38.98)
  Bottom w0.15: v1(140.49,29.81) 139.64,30.66 139.32,30.66 136.12,33.86 136.12,47.01 137.58,48.48 137.58,54.53 138.84,55.79 138.84,61.23 v1(138.61,61.45) ; v1(133.16,38.98) 132.83,38.98 132.61,38.75 78.33,38.75 67.59,49.5 v1(67.26,49.5)
D3V3A21: length 134.3
  Top w0.15: v1(132.97,37.63) 133.52,37.63 135.87,35.28 135.87,33.69 v1(139.71,29.84) 140.67,28.88 141.94,28.88 142.54,28.28 U402.39 ; U111.114 72.57,45.4 72.57,43.68 70.83,41.95 U104.7 ; 69.15,41.95 67.81,41.95 ; v1(138.31,60.77) 142.49,60.77 142.78,60.48 U401.39
  Bottom w0.15: v1(67.81,41.96) 73.85,41.96 77.96,37.85 132.74,37.85 v1(132.97,37.63) ; v1(139.71,29.84) 135.82,33.74 135.82,47.14 137.28,48.6 137.28,54.66 138.54,55.91 138.54,60.54 v1(138.31,60.77)
D3V3A22: length 144.5
  Top w0.15: U111.95 79.84,56.97 79.84,55.62 76.29,52.08 75.2,52.08 75.2,52.07 73.38,52.07 71.45,50.15 U103.3 ; 69.16,50.14 67.82,50.14 ; v1(132.39,39.28) 132.38,39.27 132.38,36.43 v1(139.85,28.96) 140.23,28.58 141.81,28.58 142.61,27.78 U402.40 ; v1(138.01,60.06) 138.2,60.24 141.61,60.24 141.87,59.98 U401.40
  Bottom w0.15: v1(67.81,50.15) 78.91,39.05 131.85,39.05 132.07,39.28 v1(132.39,39.28) ; v1(139.85,28.96) 135.52,33.29 135.52,47.26 136.98,48.73 136.98,54.78 138.24,56.04 138.24,59.83 v1(138.01,60.06)
